# KiCad board inverter.kicad_pcb (continued)
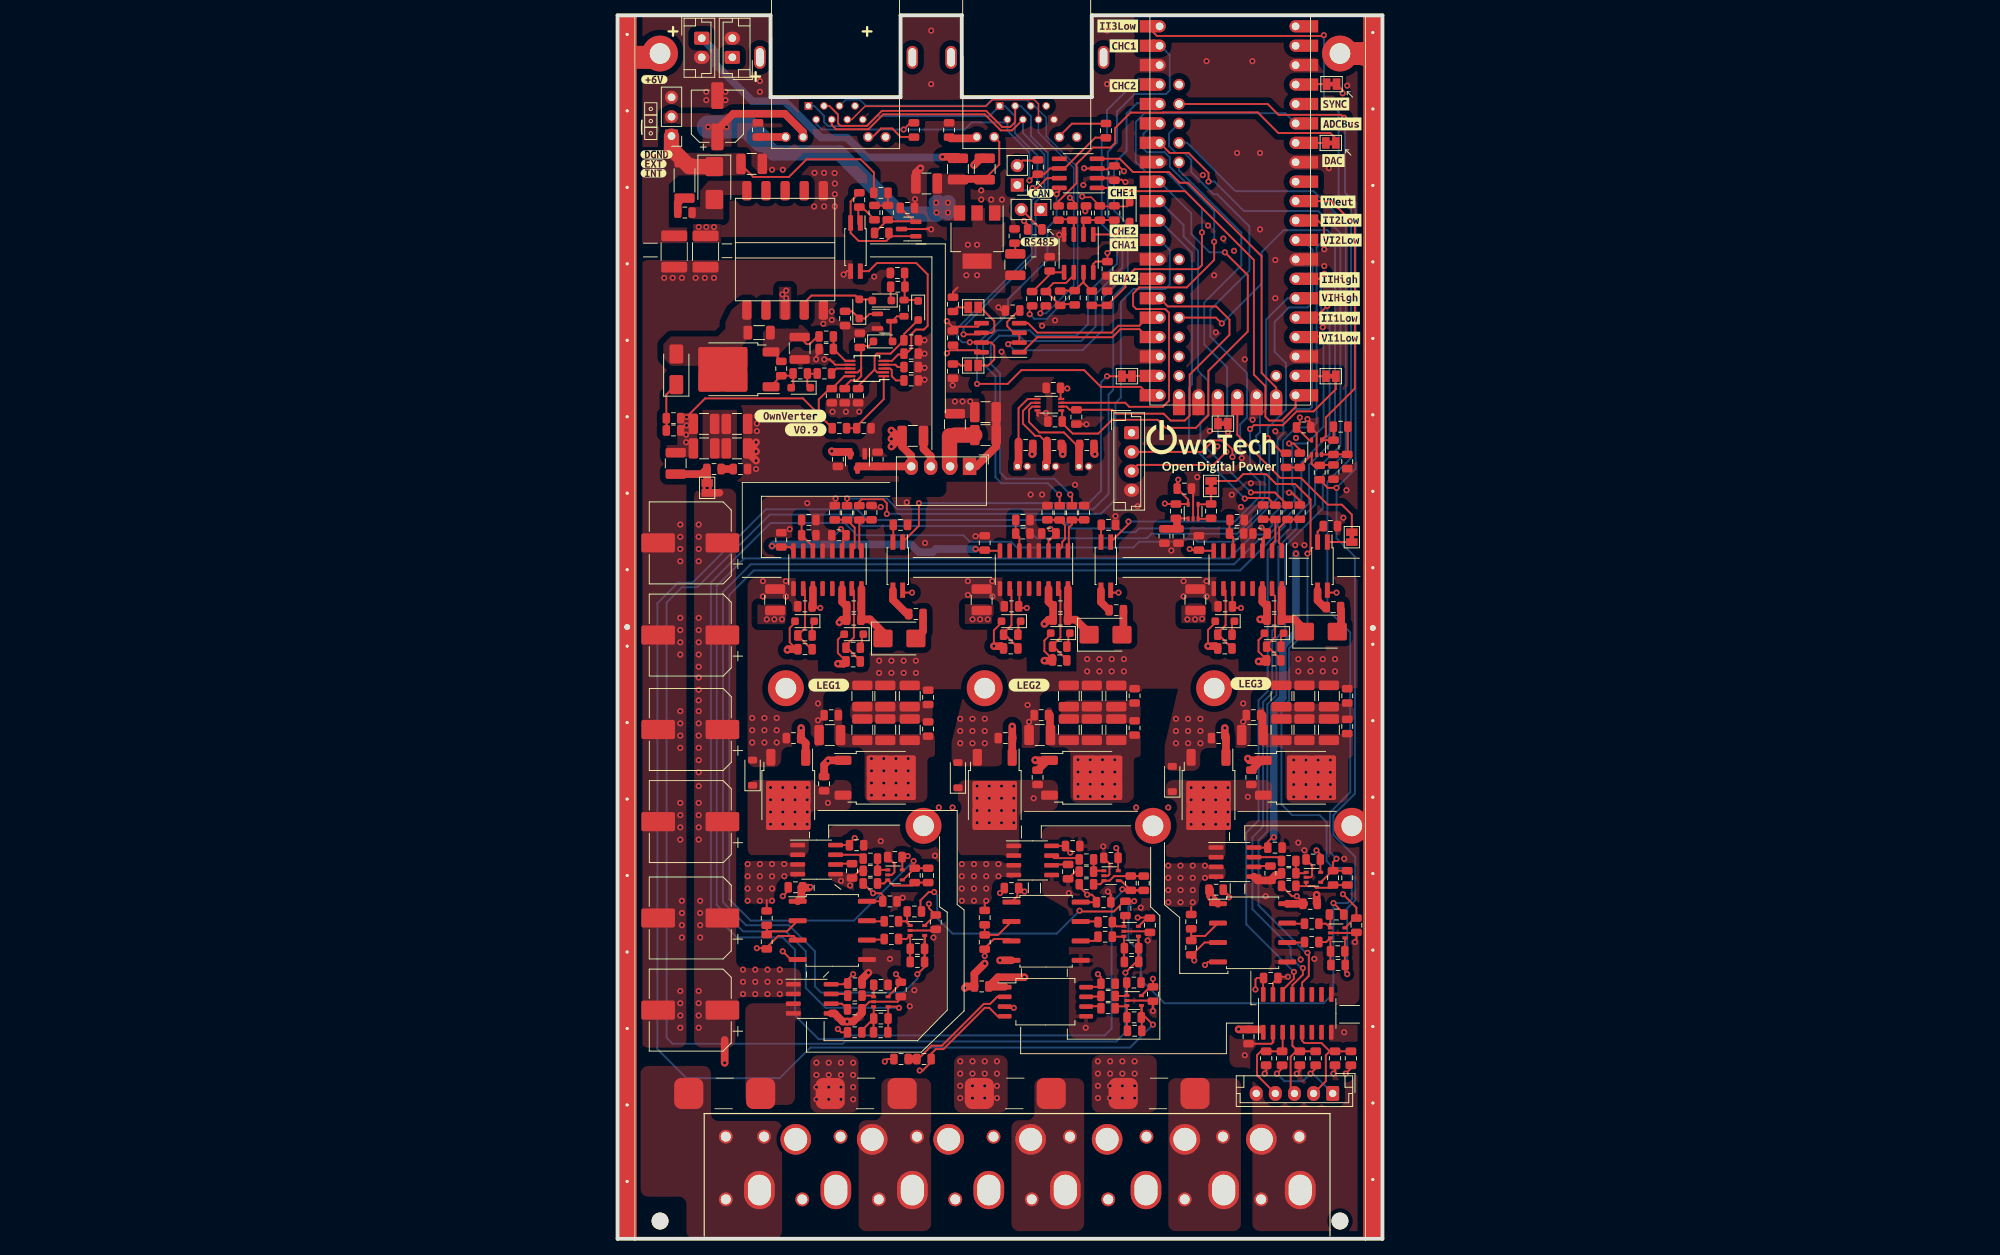
[diagram p0: board, top side]
## Placement (name value [footprint] x y rotation side) (continued)
R822  1M  [R_0805_2012Metric]  95.4 67 90 top
R823  1M  [R_0805_2012Metric]  95.4 71 90 top
R901  10k  [R_0805_2012Metric#2]  95.88 23.6 270 top
R902  10k  [R_0805_2012Metric#2]  93.8 23.6 90 top
R903  10k  [R_0805_2012Metric#2]  91.28 23.6 270 top
R904  10k  [R_0805_2012Metric#2]  89.2 23.6 90 top
R905  10k  [R_0805_2012Metric#2]  86.88 23.6 270 top
R906  10k  [R_0805_2012Metric#2]  84.8 23.6 90 top
T501  -  [PA2467NL]  21.9 129.26 0 top
TH401  NXFT15XH103FA2B100  [PinHeader_1x02_P1.27mm_Horizontal]  52.3 101 270 bottom
TH402  NXFT15XH103FA2B100  [PinHeader_1x02_P1.27mm_Horizontal]  56 101 270 bottom
TH403  NXFT15XH103FA2B100  [PinHeader_1x02_P1.27mm_Horizontal]  60.33 101 270 bottom
U201  AMC1311DWV  [SOIC-8_7.5x5.85mm_P1.27mm]  55.94 31 0 top
U202  +-20A Hall  [SOIC-8_3.9x4.9mm_P1.27mm]  25.45 31.38 0 top
U203  OPA316  [SOT-353_SC-70-5]  67.54 31.15 0 top
U204  OPA316  [SOT-353_SC-70-5]  34.42 31 0 top
U401  OwnTech_SPIN  [OwnTech_SPINTHT_1]  70.87 110.3 90 top
U402  TCAN334GDR  [SOIC-8_3.9x4.9mm_P1.27mm]  60.22 139.34 180 top
U405  LTC2850xS8  [SOIC-8_3.9x4.9mm_P1.27mm]  50.05 117.83 180 top
U406  OPA2277  [SOIC-8_3.9x4.9mm_P1.27mm]  60.28 128.86 270 top
U410  TS5A3357DCUT  [VSSOP-8_2.3x2mm_P0.5mm]  56.45 109.08 0 top
U490  OPA316  [SOT-353_SC-70-5]  91.4 103.5 90 top
U501  NCP12700  [MSOP-10_3x3mm_P0.5mm]  32.6 113.8 180 top
U502  FODM217A  [SO-4_4.4x2.3mm_P1.27mm]  31.1 129.69 270 top
U503  TL431MFDT,215  [SOT-23]  38.06 132.05 180 top
U504  AP1117-50  [SOT-223-3_TabPin2]  47 131 270 top
U505  MCP1799T-5002H/TT  [SOT-23_copy]  31.36 101.71 270 top
U506  OPA316  [SOT-353_SC-70-5]  75.25 95.1 90 top
U601  AMC1100DUB  [SOP-8_6.62x9.15mm_P2.54mm]  28.08 40.32 0 top
U602  FODM217A  [SO-4_4.4x2.3mm_P1.27mm]  36.64 87.96 270 top
U603  UCC21222DR  [SOIC-16_3.9x9.9mm_P1.27mm]  27.44 87.5 270 top
U604  OPA316  [SOT-353_SC-70-5]  39.2 40.31 0 top
U605  ACS730KLCTR-20AB  [SOIC-8_3.9x4.9mm_P1.27mm]  26.03 49.58 0 top
U606  OPA316  [SOT-353_SC-70-5]  36.28 47.59 0 top
U701  AMC1100DUB  [SOP-8_6.62x9.15mm_P2.54mm]  56.03 40.22 0 top
U702  FODM217A  [SO-4_4.4x2.3mm_P1.27mm]  63.83 87.96 270 top
U703  UCC21222DR  [SOIC-16_3.9x9.9mm_P1.27mm]  54.44 87.5 270 top
U704  OPA316  [SOT-353_SC-70-5]  67.15 40.21 0 top
U705  ACS730KLCTR-20AB  [SOIC-8_3.9x4.9mm_P1.27mm]  54.28 49.47 0 top
U706  OPA316  [SOT-353_SC-70-5]  64.53 47.48 0 top
U801  AMC1100DUB  [SOP-8_6.62x9.15mm_P2.54mm]  83.03 40.01 0 top
U802  FODM217A  [SO-4_4.4x2.3mm_P1.27mm]  92.16 87.96 270 top
U803  UCC21222DR  [SOIC-16_3.9x9.9mm_P1.27mm]  82.39 87.5 270 top
U804  OPA316  [SOT-353_SC-70-5]  94.15 40 0 top
U805  ACS730KLCTR-20AB  [SOIC-8_3.9x4.9mm_P1.27mm]  80.72 49.26 0 top
U806  OPA316  [SOT-353_SC-70-5]  90.97 47.27 0 top
U901  Si8640BB-B-IS1  [SOIC-16_3.9x9.9mm_P1.27mm]  88.87 29.47 90 top

## Library data of the parts
C201 = -: Description: Unpolarized capacitor, small symbol; Package: 1206; manf#: C1206C104K5RAC7867
C202 C203 C601 C606 C611 C701 C706 C711 C801 C806 C811 = -: Description: Unpolarized capacitor, small symbol; DNP: x; Package: 0603; Voltage: 50V; manf#: C0603C104K5RAC7867
C204 C617 C717 C817 = -: Description: Unpolarized capacitor, small symbol; DNP: x; Package: 0805; Voltage: 100V; manf#: CL21C102JCFNNNE
C207 C217 C610 C618 C710 C718 C810 C818 = -: Description: Unpolarized capacitor, small symbol; Package: 0805; manf#: CC0805JRNPO9BN200
C209 C613 C713 C813 C901 C902 = -: Description: Unpolarized capacitor, small symbol; Package: 0805; manf#: C0805C104K5RACTU
C218 = -: Description: Unpolarized capacitor, small symbol; Package: 0805; manf#: CC0805KRX7R9BB104
C301 C490 = -: Description: Unpolarized capacitor, small symbol; DNP: DNP; Package: 0805; Voltage: 50V; manf#: CC0805KRX7R9BB104
C401 C410 C413 C420 C530 = -: Description: Unpolarized capacitor, small symbol; DNP: x; Package: 0805; manf#: C0805C104K5RACTU
C411 C412 C529 C531 = -: Description: Unpolarized capacitor, small symbol; DNP: x; Package: 0805; manf#: CC0805JRNPO9BN200
C470 = -: Description: Unpolarized capacitor, small symbol; DNP: x; manf#: C0805C153K5RACTU
C491 C619 C719 C819 = -: Description: Unpolarized capacitor, small symbol; DNP: x; Package: 0805; Voltage: 50V; manf#: CC0805KRX7R9BB104
C501 C502 = -: Description: Unpolarized capacitor; manf#: GRM21BR72A474KA73L
C503-C506 = -: Description: Unpolarized capacitor; manf#: 12101C475K4T2A
C507 = -: Description: Unpolarized capacitor; manf#: CL21B103KBANNND
C508 = -: Description: Unpolarized capacitor; manf#: CL21B223KBANNWC
C509 = -: Description: Unpolarized capacitor; Package: 0805; manf#: CL21C102JCFNNNE
C510 = -: Description: Unpolarized capacitor; manf#: CL21C101JBANNNC
C511 = -: Description: Unpolarized capacitor; manf#: C2012X7T2E104M125AA
C512 C513 = -: Description: Unpolarized capacitor; Package: 0805; manf#: UMK212B7105KGHT
C514 C520 = -: Description: Unpolarized capacitor; manf#: 0805B682K631CT
C515 = -: Description: Unpolarized capacitor; Package: 1206; Voltage: 1kV; manf#: 885342008009
C516 C517 = -: Description: Unpolarized capacitor; Package: 1812; Voltage: 250V; manf#: 8853622110151
C518 = -: Description: Unpolarized capacitor; DNP: x; Package: 0805; Voltage: 500V; manf#: 885342207013
C519 = -: Description: Unpolarized capacitor; Voltage: 50V; manf#: 12105C106KAT2A
C521 = -: Description: Polarized capacitor, small symbol; manf#: EEE-FKE101XAP
C522-C526 = -: Description: Unpolarized capacitor, small symbol; DNP: x; Voltage: 50V; manf#: 12105C106KAT2A
C527 C528 = -: Description: Unpolarized capacitor, small symbol; DNP: x; manf#: UMK212B7105KGHT
C602 C605 C607 C612 C614 C702 C705 C707 C712 C714 C802 C805 C807 C812 C814 = -: Description: Unpolarized capacitor, small symbol; DNP: x; Package: 0805; Voltage: 50V; manf#: C0805C104K5RACTU
C603 C604 C703 C704 C803 C804 = -: Description: Unpolarized capacitor, small symbol; DNP: x; Package: 0805; Voltage: 50V; manf#: CC0805JRNPO9BN200
C608 C708 C808 = -: Description: Unpolarized capacitor; DNP: x; Package: 1210; Voltage: 250V; manf#: 1210PC104KAT1A
C609 C709 C809 = -: Description: Unpolarized capacitor; DNP: x; Package: 1210; Voltage: 200V; manf#: C1210C104M2RACTU
C615 C715 C815 = -: Description: Unpolarized capacitor, small symbol; DNP: x; Package: 0805; Voltage: 50V; manf#: UMK212B7105KGHT
C616 C716 C816 = -: Description: Unpolarized capacitor, small symbol; DNP: x; Package: 1210; Voltage: 50V; manf#: 12105C106KAT2A
C620 C621 C720 C721 C820 C821 = -: Description: Polarized capacitor; Package: 10x10.5; Voltage: 160V; manf#: ULT2C330MNL1GS
C622-C627 C722-C727 C822-C827 = -: Description: Unpolarized capacitor; Package: 1210; Voltage: 100V; manf#: 12101C475K4T2A
D403 = -: Description: 75V 0.15A Fast switching Diode, SOD-323; DNP: x
D501 = -: Description: Zener diode; manf#: BZT52C6V2-TP
D502-D506 = -: Description: Diode; Sim.Device: D; Sim.Pins: 1=K 2=A
D507 = -: Description: Schottky diode
D601 D602 D701 D702 D801 D802 = -: Description: Diode; DNP: x; Sim.Device: D; Sim.Pins: 1=K 2=A
D604 D605 D704 D705 D804 D805 = -: Description: Schottky diode; DNP: x
F201 = -: Description: Fuse; manf#: 0678H9300-02
F401 F402 = -: Description: Resettable fuse, polymeric positive temperature coefficient, small symbol; DNP: x; manf#: 0ZCK0035FF2G
F601 F701 F801 = -: Description: Fuse; manf#: 0678H9250-02
H101-H108 = -: Description: Mounting Hole with connection; DNP: x
J101 = -: Description: Generic connector, single row, 01x02, script generated (kicad-library-utils/schlib/autogen/connector/)
J301 = -: Description: Generic connector, single row, 01x04, script generated (kicad-library-utils/schlib/autogen/connector/)
J401 J402 = -: Description: Generic connector, single row, 01x02, script generated (kicad-library-utils/schlib/autogen/connector/); DNP: x; manf#: B2B-EH-A(LF)(SN)
J403 J404 = -: Description: RJ connector, 8P8C (8 positions 8 connected), two LEDs, Shielded; DNP: x; manf#: RJE721881411
J501 = -: Description: Generic connector, single row, 01x03, script generated (kicad-library-utils/schlib/autogen/connector/)
J901 = -: Description: Generic connector, single row, 01x05, script generated (kicad-library-utils/schlib/autogen/connector/)
JP401 JP403 = -: Description: Jumper, 2-pole, closed/bridged; DNP: x; manf#: 68691-100HLF
JP402 JP404-JP406 JP410 JP417 JP502 = -: Description: Solder Jumper, 2-pole, closed/bridged; DNP: x
JP408 JP409 = -: Description: Solder Jumper, 2-pole, open; DNP: x
JP501 = -: Description: Jumper, 2-pole, closed/bridged; DNP: x
L501 = -: Description: Inductor; manf#: CBC3225T100M
L502 = -: Description: Inductor, small symbol; manf#: LBR2012T101K
L503 = -: Description: Inductor; manf#: CBC3225T220KR
N101 = -: Description: Housing with connection pin; DNP: x
NTC501 = -: Description: Temperature dependent resistor, negative temperature coefficient; manf#: ABNTC-0805-104J-4250F-T
PS501 = -: Description: 1W, 1000 VDC isolated DC/DC converter, 5V input, 12V output, SIP; DNP: x
Q501 = -: Description: N-MOSFET transistor, gate/source/drain; manf#: NX7002AKVL
Q502 = -: Description: N-MOSFET transistor, gate/drain/source
Q601 Q602 Q701 Q702 Q801 Q802 = -: Description: 35A Id, 60V Vds, N-Channel Power MOSFET, 18mOhm Ron, 19.3nC Qg (typ), TO252; DNP: x; manf#: IPD200N15N3GATMA1
R201 = -: Description: Resistor, small symbol; Package: 0805; manf#: CR0805-FX-3303ELF
R202 = -: Description: Resistor, small symbol; Package: 0805; manf#: CR0805-FX-5601ELF
R203 R204 = -: Description: Resistor, small symbol; Package: 0805; manf#: CR0805-FX-2702ELF
R205 R206 = -: Description: Resistor, small symbol; Package: 0805; manf#: CR0805-FX-1202ELF
R209 R212 = -: Description: Resistor, small symbol; Package: 0805; manf#: CR0805-FX-5901ELF
R210 R211 = -: Description: Resistor, small symbol; Package: 0805; Power: 0.125W; manf#: CR0805-FX-2002ELF
R401 = -: Description: Resistor; DNP: x; manf#: CR0805-FX-1200ELF
R402 R404 = -: Description: Resistor, small symbol; DNP: x; Package: 0805; manf#: CR0805-FX-3300ELF
R403 R405 = -: Description: Resistor, small symbol; DNP: x; Package: 0805; manf#: CR0805-FX-3001ELF
R406 R407 = -: Description: Resistor; DNP: x; manf#: CR0805-FX-2002ELF
R409 R411-R419 R428 = -: Description: Resistor; DNP: x; Package: 0805; manf#: CR0805-FX-4701ELF
R410 R470 = -: Description: Resistor; DNP: x; Package: 0805; manf#: CR0805-FX-1200ELF
R425 R426 R490-R492 R495 = -: Description: Resistor; DNP: x; Package: 0805; Power: 0.125W; manf#: CRT0805-FZ-1002ELF
R450 R494 = -: Description: Resistor; DNP: x; Package: 0805; Power: 0.125W; manf#: CR0805-FX-2002ELF
R501 R509 = -: Description: Resistor; Package: 0805; manf#: CR0805-FX-3483ELF
R502 R518 = -: Description: Resistor; Package: 0805; manf#: CR0805-FX-2702ELF
R503 = -: Description: Resistor; Package: 0805; manf#: CR0805-FX-1003ELF
R504 R512 R514 = -: Description: Resistor; Package: 0805; manf#: RC0805FR-071K4L
R505 = -: Description: Resistor; Package: 0805; Power: 0.125W; manf#: CR0805AF/-2R20EAS
R506 = -: Description: Resistor; Package: 0805; manf#: CR0805-FX-4700ELF
R507 R511 R516 = -: Description: Resistor; Package: 0805; manf#: CRCW080510R0JNEAC
R508 R515 = -: Description: Resistor; Package: 0805; manf#: CRT0805-FZ-1002ELF
R510 = -: Description: Resistor; manf#: RCWE1210R240FKEA
R513 = -: Description: Resistor; DNP: x; Package: 2010; Power: 1W; manf#: CRGH2010J10R
R517 = -: Description: Resistor; manf#: CRCW080538K3FKEA
R519 = -: Description: Resistor, small symbol; manf#: CR0805-J/-1R0ELF
R520 = -: Description: Resistor; DNP: x; Package: 0805; manf#: CR0805-FX-4702ELF
R521 = -: Description: Resistor; DNP: x; Package: 0805; manf#: CR0805-FX-1202ELF
R601-R604 R614 R701-R704 R714 R801-R804 R814 = -: Description: Resistor; DNP: x; Package: 0805; Power: 0.125W; manf#: CR0805AF/-2R20EAS
R605 R606 R610 R705 R706 R710 R805 R806 R810 = -: Description: Resistor; DNP: x; Package: 0805; Voltage: 150V; manf#: CR0805-FX-51R0ELF
R607 R608 R707 R708 R807 R808 = -: Description: Resistor; DNP: x; Package: 0805; Power: 0.125W; manf#: RC0805FR-071KL
R609 R709 R809 = -: Description: Resistor; DNP: x; Package: 0805; Power: 0.125W; Voltage: 150V; manf#: CR0805-FX-2002ELF
R611 R612 R711 R712 R811 R812 = -: Description: Resistor, small symbol; DNP: x; Package: 0805; Power: 0.125W; manf#: RC0805FR-0727KL
R613 R615 R713 R715 R813 R815 = -: Description: Resistor, small symbol; DNP: x; Package: 0805; Power: 0.125W; manf#: RC0805FR-0712KL
R616 R716 R816 = -: Description: Resistor, small symbol; DNP: x; Package: 0805; manf#: CR0805-FX-1503ELF
R617 R717 R817 = -: Description: Resistor, small symbol; DNP: x; Package: 0805; manf#: CR0805-FX-4700ELF
R618 R621 R718 R721 R818 R821 = -: Description: Resistor, small symbol; DNP: x; Package: 0805; Power: 0.1W; manf#: ERJ6RED2003V
R619 R620 R719 R720 R819 R820 = -: Description: Resistor, small symbol; DNP: x; Package: 0805; Power: 0.125W; manf#: CR0805-FX-2002ELF
R622 R623 R722 R723 R822 R823 = -: Description: Resistor, small symbol; Package: 0805; Power: 0.5W; manf#: CMP0805-FX-1004ELF
R901 R903 R905 = -: Description: Resistor; Package: 0603; manf#: CRT0603-FZ-1002ELF
R902 R904 R906 = -: Description: Resistor; DNP: DNP; Package: 0603; manf#: CRT0603-FZ-1002ELF
T501 = -: Description: High Frequency Wire Wound Transformers EP13 Platform
TH401-TH403 = -: Description: Temperature dependent resistor; DNP: x; manf#: NXFT15XH103FA2B100
U201 = -: Description: High-Impedance,2-V Input, Fixed gain:1 - Reinforced Isolated Amplifiers
U202 = -: manf#: ACS712ELCTR-20A-T
U203 U204 = -: Description: Low-power, Rail-to-rail, 1MHz Operational Amplifier, SOT-353; manf#: OPA316IDCKT
U401 = -: Description: Owntech SPIN microcontroller module USB
U402 = -: Description: High-Speed CAN Transceiver, 1Mbps, 3.3V supply, low power standby mode, shutdown mode, SOT-23-8/SOIC-8; DNP: x
U405 = -: Description: RS-485, RS-422 Half duplex 20Mbps transceiver, SOIC-8; DNP: x; manf#: LTC2850CS8#PBF
U406 = -: Description: Dual High Precision Operational Amplifiers, DIP-8/SOIC-8; DNP: x; manf#: MCP6487T-E/SN
U410 = -: Description: SP3T analog switch
U490 U506 U604 U606 U704 U706 U804 U806 = -: Description: Low-power, Rail-to-rail, 1MHz Operational Amplifier, SOT-353; DNP: x; manf#: OPA316IDCKT
U501 = -: manf#: NCP12700ADNR2G
U502 = -: Description: Optocoupler, Phototransistor Output, 5300 VRMS, VCEO 70V, CTR% 40-80, -55 to +110 degree Celsius, UL, BSI, FIMKO, cUL, 8mm clearence SMD PDIP-4
U503 = -: Description: Shunt Regulator, SOT-23
U504 = -: Description: 1A Low Dropout regulator, positive, 5.0V fixed output, SOT-223; DNP: x
U505 = -: Description: Fixed 150mA Low Dropout Voltage Regulator, Positive, 5V output, SOT-23; DNP: x
U601 U701 U801 = -: Description: ±250-mV input  Fixed gain:8 (0.5%Accuracy) Fully-Differential Isolation Amplifier
U602 U702 U802 = -: Description: Optocoupler, Phototransistor Output, 5300 VRMS, VCEO 70V, CTR% 63-125, -55 to +110 degree Celsius, UL, BSI, FIMKO, SMD PDIP-4; DNP: x
U603 U703 U803 = -: DNP: x
U901 = -: Description: Low-Power Quad-Channel Digital Isolator, 150Mbps, 2.5-5.5V, 2.5kV isolation, Fail-Safe Low, SOIC-16

## Footprints (pads in the part's own frame, mm; a bottom-side part is the same pattern mirrored in y, then rotated)
C_0805_2012Metric
  rrect 0.975x1.4 smd: 1(-0.938,0) 2(0.938,0)
C_1206_3216Metric
  rrect 1.15x1.8 smd: 1(-1.475,0) 2(1.475,0)
C_1210_3225Metric
  rrect 1.25x2.65 smd: 1(-1.4,0) 2(1.4,0)
C_1812_4532Metric
  rrect 1.4x3.4 smd: 1(-2.05,0) 2(2.05,0)
Converter_DCDC_Murata_MEE1SxxxxSC_THT
  rect 2.25x1.75 hole 1.075: 1(0,0)
  oval 2.25x1.75 hole 1.075: 2(0,-2.54) 3(0,-5.08) 4(0,-7.62)
CP_Elec_6.3x7.7
  rrect 3.5x1.6 smd: 1(-2.7,0) 2(2.7,0)
CP_Elec_10x10.5
  rrect 4.4x2.5 smd: 1(-4.2,0) 2(4.2,0)
D_SMA
  rrect 2.5x1.8 smd: 1(-2,0) 2(2,0)
D_SMB
  rrect 2.5x2.3 smd: 1(-2.15,0) 2(2.15,0)
D_SOD-123
  rrect 0.9x1.2 smd: 1(-1.65,0) 2(1.65,0)
D_SOD-323_HandSoldering
  rrect 1x1 smd: 1(-1.25,0) 2(1.25,0)
ethernet_RJE721881411
  rect 1x1 hole 0.7: 1(0,0)
  round 1 hole 0.7: 2(1.016,-1.78) 3(2.032,0) 4(3.048,-1.78) 5(4.064,0) 6(5.08,-1.78) 7(6.096,0) 8(7.112,-1.78)
  round 1.3 hole 0.9: 9(-2.985,-4.064) 10(-0.699,-4.064) 11(7.811,-4.064) 12(10.097,-4.064)
  oval 1.5x3 hole 1x2.4: SH(-6.35,6.35) SH(13.589,6.35)
F_0678H_Bel
  rrect 3.81x4.06 smd: 1(-4.7,0) 2(4.7,0)
Fuse_1210_3225Metric
  rrect 1.25x2.65 smd: 1(-1.4,0) 2(1.4,0)
Guard_ring
  round 0.8 hole 0.4: 1(1.25,-2.5) 1(1.25,-12.5) 1(1.25,-22.5) 1(1.25,-32.5) 1(1.25,-42.5) 1(1.25,-52.5) 1(1.25,-62.5) 1(1.25,-72.5) 1(1.25,-82.5) 1(1.25,-92.5) 1(1.25,-102.5) 1(1.25,-112.5) 1(1.25,-122.5) 1(1.25,-132.5) 1(1.25,-142.5) 1(1.25,-152.5) 1(98.75,-2.25) 1(98.75,-12.25) 1(98.75,-22.25) 1(98.75,-32.25) 1(98.75,-42.25) 1(98.75,-52.25) 1(98.75,-62.25) 1(98.75,-72.25) 1(98.75,-82.25) 1(98.75,-92.25) 1(98.75,-102.25) 1(98.75,-112.25) 1(98.75,-122.25) 1(98.75,-132.25) 1(98.75,-142.25) 1(98.75,-152.25)
  rect 2.5x160 hole 0.762: 1(1.25,-80) 1(98.75,-80.125)
Harting - 15contacts and Wago
  round 2.2 hole 2.8 unplated: (-76.2,5.08) (12.7,5.08)
  round 1.803 hole 1.295: 1(4.1,2.25) 1(4.1,-5.95) 2(-0.9,-5.95) 3(-5.9,2.25) 4(-10.9,-5.95) 5(-15.9,2.25) 6(-20.9,-5.95) 7(-25.9,2.25) 8(-30.9,-5.95) 9(-35.9,2.25) 10(-40.9,-5.95) 11(-45.9,2.25) 12(-50.9,-5.95) 13(-55.9,2.25) 14(-60.9,-5.95) 15(-65.9,2.25) 16(-70.9,-5.95)
  oval 4x5 hole 3x4: 2(-0.29,1.031) 4(-10.29,1.031) 6(-20.29,1.031) 8(-30.29,1.031) 10(-40.29,1.031) 12(-50.84,1.031) 14(-61,1.031) 16(-71,1.031)
  oval 4x4 hole 3: 3(-5.04,-5.6) 5(-15.04,-5.6) 7(-25.04,-5.6) 9(-35.76,-5.6) 11(-45.76,-5.6) 13(-55.92,-5.6) 15(-65.92,-5.6)
JST_EH_B2B-EH-A_1x02_P2.50mm_Vertical
  rrect 1.7x2 hole 1: 1(0,0)
  oval 1.7x2 hole 1: 2(2.5,0)
JST_EH_B4B-EH-A_1x04_P2.50mm_Vertical
  rrect 1.7x1.95 hole 0.95: 1(0,0)
  oval 1.7x1.95 hole 0.95: 2(2.5,0) 3(5,0) 4(7.5,0)
JST_EH_B5B-EH-A_1x05_P2.50mm_Vertical
  rrect 1.7x1.95 hole 0.95: 1(0,0)
  oval 1.7x1.95 hole 0.95: 2(2.5,0) 3(5,0) 4(7.5,0) 5(10,0)
L_0805_2012Metric
  rrect 0.875x1.2 smd: 1(-1.062,0) 2(1.062,0)
L_1210_3225Metric
  rrect 1.25x2.65 smd: 1(-1.4,0) 2(1.4,0)
MountingHole_2.7mm_M2.5_DIN965_Pad_TopOnly
  round 3.1 hole 2.7: 1(0,0)
  round 4.7 smd: 1(0,0)
MSOP-10_3x3mm_P0.5mm
  rect 1.4x0.3 smd: 1(-2.2,1) 2(-2.2,0.5) 3(-2.2,0) 4(-2.2,-0.5) 5(-2.2,-1) 6(2.2,-1) 7(2.2,-0.5) 8(2.2,0) 9(2.2,0.5) 10(2.2,1)
OwnTech_SPINTHT_1
  rect 1.6x2 smd: 1(48.26,1.6) 2(45.72,1.6) 3(43.18,1.6) 4(40.64,1.6) 5(38.1,1.6) 6(35.56,1.6) 7(33.02,1.6) 8(30.48,1.6) 9(27.94,1.6) 10(25.4,1.6) 11(22.86,1.6) 12(20.32,1.6) 13(17.78,1.6) 14(15.24,1.6) 15(12.7,1.6) 16(10.16,1.6) 17(7.62,1.6) 18(5.08,1.6) 19(2.54,1.61) 20(0,1.61) 21(0,-19.73) 22(2.54,-19.73) 23(5.08,-19.73) 24(7.62,-19.73) 25(10.16,-19.73) 26(12.7,-19.73) 27(15.24,-19.73) 28(17.78,-19.73) 29(20.32,-19.73) 30(22.86,-19.73) 31(25.4,-19.73) 32(27.94,-19.73) 33(30.48,-19.73) 34(33.02,-19.73) 35(35.56,-19.73) 36(38.1,-19.73) 37(40.64,-19.73) 38(43.18,-19.73) 39(45.72,-19.73) 40(48.26,-19.73)
  oval 1.6x2.4 hole 1: 1(48.26,0) 2(45.72,0) 3(43.18,0) 4(40.64,0) 5(38.1,0) 6(35.56,0) 7(33.02,0) 8(30.48,0) 9(27.94,0) 10(25.4,0) 11(22.86,0) 12(20.32,0) 13(17.78,0) 14(15.24,0) 15(12.7,0) 16(10.16,0) 17(7.62,0) 18(5.08,0) 19(2.54,0) 20(0,0) 21(0,-17.78) 22(2.54,-17.78) 23(5.08,-17.78) 24(7.62,-17.78) 25(10.16,-17.78) 26(12.7,-17.78) 27(15.24,-17.78) 28(17.78,-17.78) 29(20.32,-17.78) 30(22.86,-17.78) 31(25.4,-17.78) 32(27.94,-17.78) 33(30.48,-17.78) 34(33.02,-17.78) 35(35.56,-17.78) 36(38.1,-17.78) 37(40.64,-17.78) 38(43.18,-17.78) 39(45.72,-17.78) 40(48.26,-17.78)
  round 1.5 hole 1: 41(40.64,-2.54) 42(38.1,-2.54) 43(35.56,-2.54) 44(33.02,-2.54) 45(30.48,-2.54) 46(17.78,-2.54) 47(15.24,-2.54) 48(12.7,-2.54) 49(10.16,-2.54) 50(7.62,-2.54) 51(5.08,-2.54) 52(2.54,-2.54) 59(2.54,-15.24)
  rect 2x1.6 smd: 53(-1.6,-2.54) 54(-1.6,-5.08) 55(-1.6,-7.62) 56(-1.6,-10.16) 57(-1.6,-12.7) 58(-1.6,-15.24)
  oval 2.4x1.6 hole 1: 53(0,-2.54) 54(0,-5.08) 55(0,-7.62) 56(0,-10.16) 57(0,-12.7) 58(0,-15.24)
PA2467NL
  rrect 1.22x2.54 smd: 1(5,-7.8) 2(2.5,-7.8) 3(0,-7.8) 4(-2.5,-7.8) 5(-5,-7.8) 6(-5,7.8) 7(-2.5,7.8) 8(0,7.8) 9(2.5,7.8) 10(5,7.8)
PinHeader_1x02_P1.27mm_Horizontal
  rect 1x1 hole 0.65: 1(0,0)
  oval 1x1 hole 0.65: 2(0,-1.27)
PinHeader_1x02_P2.54mm_Vertical
  rect 1.7x1.7 hole 1: 1(0,0)
  oval 1.7x1.7 hole 1: 2(0,-2.54)
PinHeader_1x03_P2.54mm_Vertical
  rect 1.7x1.7 hole 1: 1(0,0)
  oval 1.7x1.7 hole 1: 2(0,-2.54) 3(0,-5.08)
R_0805_2012Metric
  rrect 0.975x1.4 smd: 1(-0.938,0) 2(0.938,0)
R_0805_2012Metric#2
  rrect 1.025x1.4 smd: 1(-0.912,0) 2(0.912,0)
R_1210_3225Metric
  rrect 1.125x2.65 smd: 1(-1.462,0) 2(1.462,0)
R_2010_5025Metric
  rrect 1.225x2.65 smd: 1(-2.312,0) 2(2.312,0)
SO-4_4.4x2.3mm_P1.27mm
  rect 2x0.64 smd: 1(-3.15,0.635) 2(-3.15,-0.635) 3(3.15,-0.635) 4(3.15,0.635)
SOIC-8_3.9x4.9mm_P1.27mm
  rrect 1.95x0.6 smd: 1(-2.475,1.905) 2(-2.475,0.635) 3(-2.475,-0.635) 4(-2.475,-1.905) 5(2.475,-1.905) 6(2.475,-0.635) 7(2.475,0.635) 8(2.475,1.905)
SOIC-8_7.5x5.85mm_P1.27mm
  rrect 1.8x0.6 smd: 1(-5.325,1.905) 2(-5.325,0.635) 3(-5.325,-0.635) 4(-5.325,-1.905) 5(5.325,-1.905) 6(5.325,-0.635) 7(5.325,0.635) 8(5.325,1.905)
SOIC-16_3.9x9.9mm_P1.27mm
  rrect 1.95x0.6 smd: 1(-2.475,4.445) 2(-2.475,3.175) 3(-2.475,1.905) 4(-2.475,0.635) 5(-2.475,-0.635) 6(-2.475,-1.905) 7(-2.475,-3.175) 8(-2.475,-4.445) 9(2.475,-4.445) 10(2.475,-3.175) 11(2.475,-1.905) 12(2.475,-0.635) 13(2.475,0.635) 14(2.475,1.905) 15(2.475,3.175) 16(2.475,4.445)
SolderJumper-2_P1.3mm_Bridged2Bar_Pad1.0x1.5mm
  rect 1x1.5 smd: 1(-0.65,0) 2(0.65,0)
SolderJumper-2_P1.3mm_Bridged_Pad1.0x1.5mm
  rect 1x1.5 smd: 1(-0.65,0) 2(0.65,0)
SolderJumper-2_P1.3mm_Open_Pad1.0x1.5mm
  rect 1x1.5 smd: 1(-0.65,0) 2(0.65,0)
SOP-8_6.62x9.15mm_P2.54mm
  rrect 2.35x0.65 smd: 1(-4.525,3.81) 2(-4.525,1.27) 3(-4.525,-1.27) 4(-4.525,-3.81) 5(4.525,-3.81) 6(4.525,-1.27) 7(4.525,1.27) 8(4.525,3.81)
SOT-23
  rrect 1.475x0.6 smd: 1(-0.938,0.95) 2(-0.938,-0.95) 3(0.938,0)
SOT-23_copy
  rrect 1.475x0.6 smd: 1(-0.938,0.95) 2(-0.938,-0.95) 3(0.938,0)
SOT-223-3_TabPin2
  rect 2x1.5 smd: 1(-3.15,2.3) 2(-3.15,0) 3(-3.15,-2.3)
  rect 2x3.8 smd: 2(3.15,0)
SOT-353_SC-70-5
  rect 0.65x0.4 smd: 1(-0.95,0.65) 2(-0.95,0) 3(-0.95,-0.65) 4(0.95,-0.65) 5(0.95,0.65)
TO-252-2
  rrect 2.2x1.2 smd: 1(-5.04,2.28) 3(-5.04,-2.28)
  rrect 3.05x2.75 smd: 2(-0.415,1.525) 2(-0.415,-1.525) 2(2.935,1.525) 2(2.935,-1.525)
  rrect 6.4x5.8 smd: 2(1.26,0)
VSSOP-8_2.3x2mm_P0.5mm
  rect 0.8x0.3 smd: 1(-1.55,0.75) 2(-1.55,0.25) 3(-1.55,-0.25) 4(-1.55,-0.75) 5(1.55,-0.75) 6(1.55,-0.25) 7(1.55,0.25) 8(1.55,0.75)

## Nets
+3.3V_DGND: C401.1 J403.12 J404.12 R406.2 R407.2 R450.2 U401.36 U402.3
+5V_DGND: C202.2 C203.2 C209.1 C218.1 C410.1 C413.1 C420.2 C491.1 C523.1 C524.1 C530.1 C602.1 C605.1 C606.1 C611.1 C613.1 C619.1 C702.1 C705.1 C706.1 C711.1 C713.1 C719.1 C802.1 C805.1 C806.1 C811.1 C813.1 C819.1 C902.1 J301.1 L503.1 R210.1 R409.1 R520.1 R619.1 R719.1 R819.1 U201.8 U202.8 U203.5 U204.5 U401.40 U405.8 U406.8 U410.8 U490.5 U504.2 U506.5 U601.8 U603.3 U603.8 U604.5 U605.8 U606.5 U701.8 U703.3 U703.8 U704.5 U705.8 U706.5 U801.8 U803.3 U803.8 U804.5 U805.8 U806.5 U901.16
+5V_PGND: C201.1 C528.1 C601.2 C701.2 C801.2 C901.2 J901.1 R901.2 R903.2 R905.2 U201.1 U505.2 U601.1 U701.1 U801.1 U901.1
+6V: C521.1 C522.1 F401.2 F402.2 J403.10 J404.10 J501.2 U504.3
+12V_PGND: C526.1 C527.1 C614.1 C616.1 C714.1 C716.1 C814.1 C816.1 PS501.4 U505.3 U602.4 U603.11 U702.4 U703.11 U802.4 U803.11
/Feeder/+6VJP: C517.2 C519.1 D507.1 J501.1 R513.2 R516.1
DGND: C202.1 C203.1 C204.1 C209.2 C218.2 C401.2 C410.2 C413.2 C420.1 C470.2 C490.2 C491.2 C516.2 C519.2 C521.2 C522.2 C524.2 C525.2 C529.1 C530.2 C602.2 C603.1 C604.2 C605.2 C606.2 C607.2 C611.2 C613.2 C617.1 C619.2 C702.2 C703.1 C704.2 C705.2 C706.2 C707.2 C711.2 C713.2 C717.1 C719.2 C802.2 C803.1 C804.2 C805.2 C806.2 C807.2 C811.2 C813.2 C817.1 C819.2 C902.2 J301.4 J401.2 J402.2 J403.8 J404.8 J501.3 PS501.1 R205.1 R211.2 R403.1 R405.1 R411.2 R412.2 R414.1 R425.2 R426.2 R428.1 R494.1 R518.2 R519.2 R521.2 R609.1 R610.1 R620.2 R709.1 R710.1 R720.2 R809.1 R810.1 R820.2 T501.10 TH401.2 TH402.2 TH403.2 U201.5 U202.5 U203.2 U204.2 U401.3 U401.8 U401.13 U401.18 U401.23 U401.28 U401.33 U401.38 U401.54 U401.57 U402.2 U405.5 U406.4 U410.4 U490.2 U503.3 U504.1 U506.2 U601.5 U603.4 U603.5 U604.2 U605.5 U606.2 U701.5 U703.4 U703.5 U704.2 U705.5 U706.2 U801.5 U803.4 U803.5 U804.2 U805.5 U806.2 U901.9 U901.15
PGND: C201.2 C502.2 C504.2 C506.2 C507.1 C508.2 C509.2 C510.2 C511.2 C512.2 C513.2 C516.1 C517.1 C526.2 C527.2 C528.2 C601.1 C608.2 C609.2 C614.2 C616.2 C620.2 C621.2 C623.2 C625.2 C627.2 C701.1 C708.2 C709.2 C714.2 C716.2 C720.2 C721.2 C723.2 C725.2 C727.2 C801.1 C808.2 C809.2 C814.2 C816.2 C820.2 C821.2 C823.2 C825.2 C827.2 C901.1 D604.2 D704.2 D804.2 J101.3 J101.4 J101.7 J101.8 J101.11 J101.12 J101.15 J101.16 J901.5 NTC501.2 PS501.3 Q501.2 Q602.3 Q702.3 Q802.3 R202.2 R502.2 R503.2 R504.2 R510.2 R512.2 R608.1 R617.2 R623.2 R708.1 R717.2 R723.2 R808.1 R817.2 R823.2 R902.1 R904.1 R906.1 T501.1 U201.3 U201.4 U501.7 U502.3 U505.1 U601.3 U601.4 U603.9 U701.3 U701.4 U703.9 U801.3 U801.4 U803.9 U901.2 U901.8
/Feeder/COMP: C509.1 U501.5 U502.4
/Feeder/input: C503.1 C505.1 C511.1 C514.1 L501.2 R501.1 R509.2 T501.3 U501.10
/Feeder/VAUX: C513.1 D501.1 L502.2 R511.1
/Feeder/VBoost: C512.1 D502.1 R504.1 U501.9
/HALL1: U401.44 U901.12
/HALL2: U401.7 U901.13
/HALL3: U401.49 U901.14
/Hall_Sensor/HALL1_PGND: J901.2 R901.1 R902.2 U901.5
/Hall_Sensor/HALL2_PGND: J901.3 R903.1 R904.2 U901.4
/Hall_Sensor/HALL3_PGND: J901.4 R905.1 R906.2 U901.3
/High_side/I_{IHighHall}: R209.1 U202.7
/High_side/V_{IHigh+}: R201.2 R202.1 U201.2
/High_side/V_{IHighIN}: F201.1 J101.1 J101.2
/HRTIM_CHA1: R605.1 U401.12
/HRTIM_CHA2: R606.1 U401.14
/HRTIM_CHC1: R705.1 U401.2
/HRTIM_CHC2: R706.1 U401.4
/HRTIM_CHE1: R805.1 U401.10
/HRTIM_CHE2: R806.1 U401.11
/I_{I1Low_sense}: C618.2 R621.2 U401.25 U606.4
/I_{I2Low_sense}: C718.2 R721.2 U401.30 U706.4
/I_{I3Low_sense}: C818.2 R821.2 U401.1 U806.4
/I_{IHigh_sense}: C217.2 R212.2 U204.4 U401.27
/MCU/A: J403.3 J404.3 JP403.1 JP408.2 U405.6
/MCU/ADC2_IN5: C470.1 R470.1 U401.35
/MCU/B: J403.4 J404.4 JP409.1 R410.2 U405.7
/MCU/CAN1_STB: U401.20 U402.8
/MCU/CAN_H: J403.1 J404.1 JP401.1 U402.7
/MCU/CAN_L: J403.2 J404.2 R401.2 R402.1 R404.1 U402.6
/MCU/DAC2: JP417.1 U401.34
/MCU/ENCODER_COS: J301.3 U401.45
/MCU/ENCODER_SIN: J301.2 U401.43
/MCU/FDCAN1_{RX}: U401.58 U402.4
/MCU/FDCAN1_{TX}: U401.21 U402.1
/MCU/HRTIM1_SCIN: J403.7 J404.7 JP406.2 JP410.2
/MCU/Neutral: C490.1 R490.1 R491.1 R492.1 U490.1
/MCU/Neutral_buff: C301.2 R495.1 U401.31 U490.4
/MCU/PB1: JP406.1 U401.37
/MCU/PB6: JP410.1 U401.55
/MCU/PB7: JP405.1 U401.56
/MCU/PC12: JP402.1 U401.19
/MCU/PC13: JP404.1 U401.22
/MCU/SHARE+: C412.2 D403.1 J403.5 J404.5 R416.2 R419.2
/MCU/SHARE-: J403.6 J404.6 R417.2 R418.2
/MCU/Temp1: R406.1 TH401.1 U410.1
/MCU/Temp2: R407.1 TH402.1 U410.2
/MCU/Temp2_Mux: R425.1 U401.9 U410.5
/MCU/Temp3: R450.1 TH403.1 U410.3
/MCU/Temp3_Mux: R426.1 U401.15 U410.6
/MCU/Temp_x: U401.6 U410.7
/MCU/USART3_DE: R412.1 U401.5 U405.2 U405.3
/MCU/USART3_RX: U401.17 U405.1
/MCU/USART3_TX: U401.16 U405.4
/Phase1/I_Hall: R618.1 U605.7
/Phase1/PWM_H: R601.1 R602.1 U603.15
/Phase1/PWM_L: R603.1 R604.1 U603.10
/Phase1/SW_Node: C612.2 C615.2 D604.1 Q601.3 Q602.2 R607.1 U603.14 U605.1 U605.2
/Phase1/V_{ILow+}: R616.2 R617.1 U601.2
/Phase2/I_Hall: R718.1 U705.7
/Phase2/PWM_H: R701.1 R702.1 U703.15
/Phase2/PWM_L: R703.1 R704.1 U703.10
/Phase2/SW_Node: C712.2 C715.2 D704.1 Q701.3 Q702.2 R707.1 U703.14 U705.1 U705.2
/Phase2/V_{ILow+}: R716.2 R717.1 U701.2
/Phase3/I_Hall: R818.1 U805.7
/Phase3/PWM_H: R801.1 R802.1 U803.15
/Phase3/PWM_L: R803.1 R804.1 U803.10
/Phase3/SW_Node: C812.2 C815.2 D804.1 Q801.3 Q802.2 R807.1 U803.14 U805.1 U805.2
/Phase3/V_{ILow+}: R816.2 R817.1 U801.2
/Phase A: F601.2 J101.5 J101.6
/Phase B: F701.2 J101.9 J101.10
/Phase C: F801.2 J101.13 J101.14
/V_{I1Low_sense}: C610.2 R490.2 R615.2 U401.24 U604.4
/V_{I2Low_sense}: C710.2 R491.2 R715.2 U401.29 U704.4
/V_{I3Low_sense}: C810.2 R492.2 R815.2 U401.42 U804.4
/V_{IHigh_sense}: C207.2 R206.2 U203.4 U401.26
/V_{IHigh}: C608.1 C609.1 C620.1 C621.1 C622.1 C624.1 C626.1 C708.1 C709.1 C720.1 C721.1 C722.1 C724.1 C726.1 C808.1 C809.1 C820.1 C821.1 C822.1 C824.1 C826.1 JP501.1 Q601.2 Q701.2 Q801.2 R201.1 R622.1 R722.1 R822.1 U202.1 U202.2
/VRef: JP502.2 R613.1 R713.1 R813.1
/~{STBY1}: JP402.2 U602.1
/~{STBY2}: JP404.2 U702.1
/~{STBY3}: JP405.2 U802.1
Earth_Protective: H101.1 H102.1 H103.1 H104.1 H105.1 H106.1 H107.1 H108.1 J403.SH J404.SH N101.1
MOSD: C515.1 D504.2 Q502.2 T501.5
MOSS: C515.2 Q502.3 R506.2 R508.1 R510.1
Net-(#FLG0504-pwr): C525.1 L503.2 PS501.2
Net-(#FLG0601-pwr): C612.1 C615.1 D605.1 U603.16
Net-(#FLG0701-pwr): C712.1 C715.1 D705.1 U703.16
Net-(#FLG0801-pwr): C812.1 C815.1 D805.1 U803.16
Net-(C411-Pad1): C411.1 R415.1 R470.2 U406.7
Net-(C501-Pad2): C501.2 C502.1
Net-(C503-Pad2): C503.2 C504.1 C505.2 C506.1
Net-(C518-Pad2): C518.2 R513.1
Net-(C523-Pad2): C523.2 R519.1
Net-(C622-Pad2): C622.2 C623.1 C624.2 C625.1 C626.2 C627.1 R622.2 R623.1
Net-(C722-Pad2): C722.2 C723.1 C724.2 C725.1 C726.2 C727.1 R722.2 R723.1
Net-(C822-Pad2): C822.2 C823.1 C824.2 C825.1 C826.2 C827.1 R822.2 R823.1
Net-(D403-A): D403.2 U406.1
Net-(D501-A): C507.2 D501.2 NTC501.1 U501.2
Net-(D502-A): D502.2 L502.1 Q501.3
Net-(D503-A): D503.2 Q502.1 R507.2 R508.2
Net-(D503-K): D503.1 R505.2 R507.1
Net-(D504-K): C514.2 D504.1 R509.1
Net-(D505-A): D505.2 D506.2 T501.2
Net-(D505-K): D505.1 R511.2
Net-(D506-K): D506.1 Q501.1 R512.1
Net-(D507-A): C518.1 D507.2 T501.6
Net-(D601-A): D601.2 Q602.1 R604.2 R608.2
Net-(D601-K): D601.1 R603.2
Net-(D602-A): D602.2 Q601.1 R602.2 R607.2
Net-(D602-K): D602.1 R601.2
Net-(D605-A): D605.2 R614.1
Net-(D701-A): D701.2 Q702.1 R704.2 R708.2
Net-(D701-K): D701.1 R703.2
Net-(D702-A): D702.2 Q701.1 R702.2 R707.2
Net-(D702-K): D702.1 R701.2
Net-(D705-A): D705.2 R714.1
Net-(D801-A): D801.2 Q802.1 R804.2 R808.2
Net-(D801-K): D801.1 R803.2
Net-(D802-A): D802.2 Q801.1 R802.2 R807.2
Net-(D802-K): D802.1 R801.2
Net-(D805-A): D805.2 R814.1
Net-(F201-Pad2): F201.2 U202.3 U202.4
Net-(F601-Pad1): F601.1 R616.1 U605.3 U605.4
Net-(F701-Pad1): F701.1 R716.1 U705.3 U705.4
Net-(F801-Pad1): F801.1 R816.1 U805.3 U805.4
